# Altium PCB STB_LightBoard.PcbDoc (part 10 of 31) (continued)
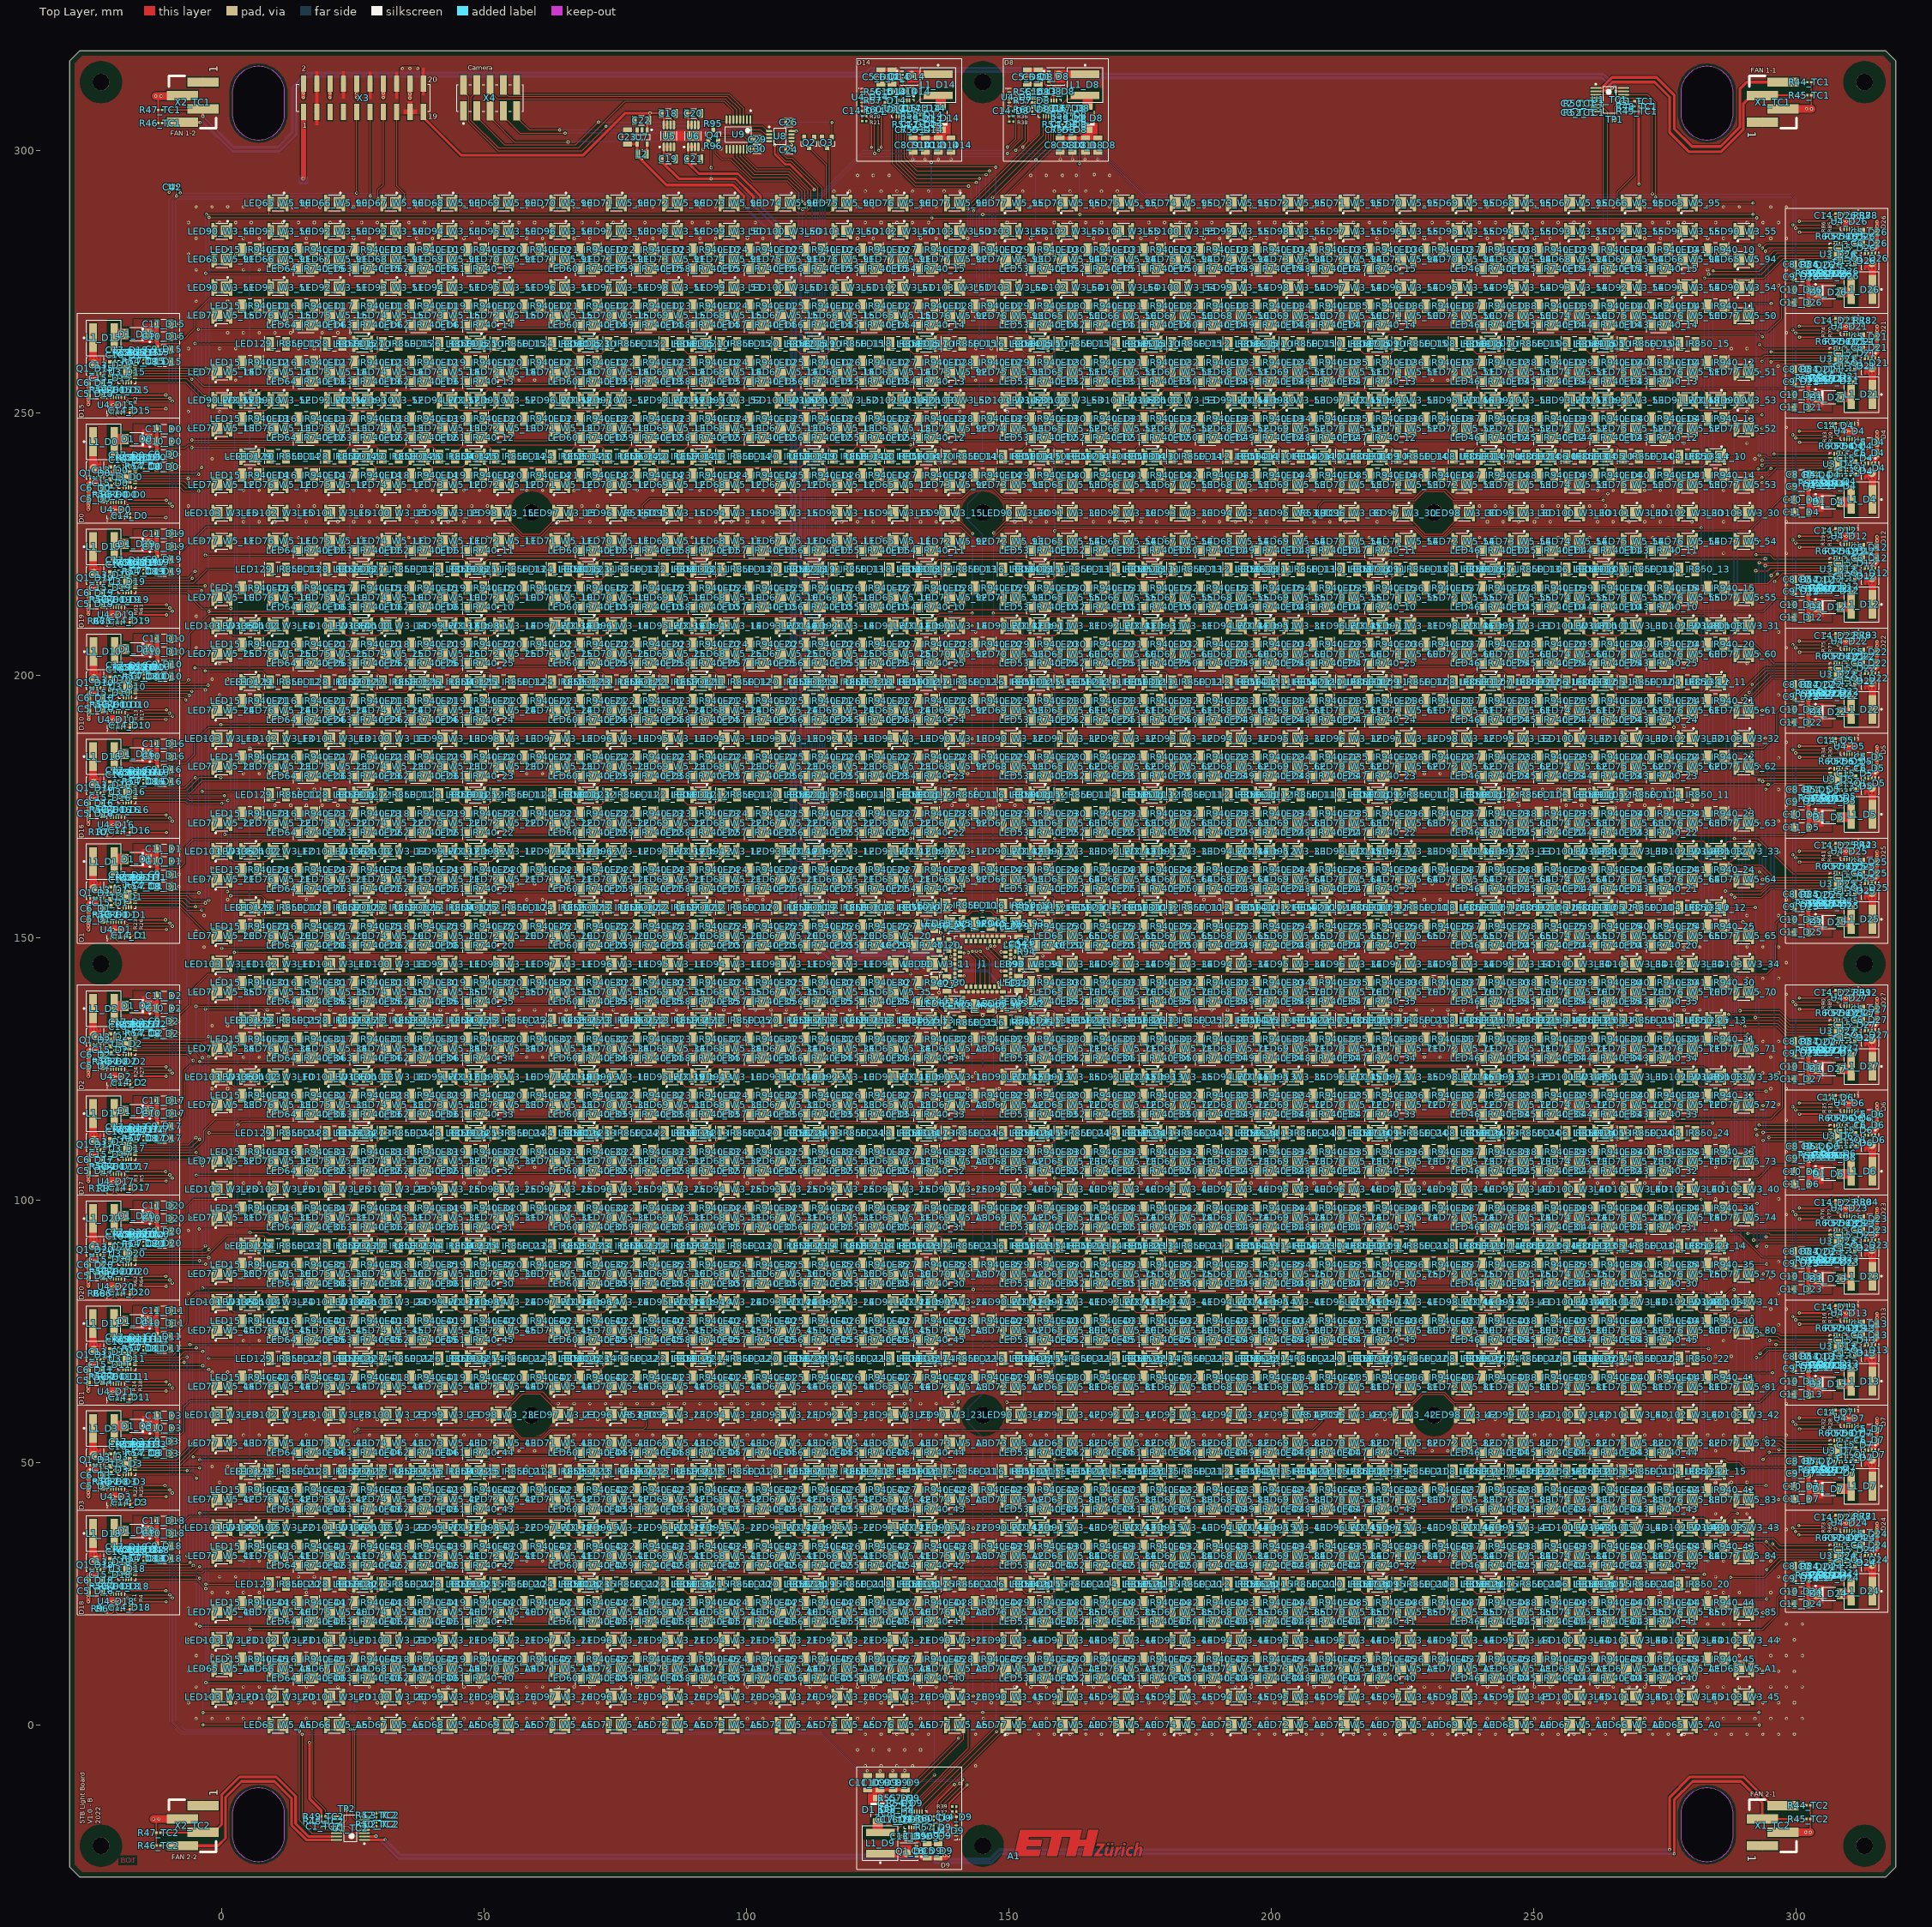
[diagram p0: Top Layer view]
## Components (designator, comment, footprint, x,y, rotation, side; value= is the part's Value field where it differs from the comment) (continued)
LED126_IR850_11 "AREM-80C0-LM000" AREM-80C0-LM000 42.964,177.226 r0 top (schematic designator LED126)
LED126_IR850_12 "AREM-80C0-LM000" AREM-80C0-LM000 42.964,198.708 r0 top (schematic designator LED126)
LED126_IR850_13 "AREM-80C0-LM000" AREM-80C0-LM000 42.964,220.19 r0 top (schematic designator LED126)
LED126_IR850_14 "AREM-80C0-LM000" AREM-80C0-LM000 42.964,241.672 r0 top (schematic designator LED126)
LED126_IR850_15 "AREM-80C0-LM000" AREM-80C0-LM000 42.964,263.154 r0 top (schematic designator LED126)
LED126_IR850_20 "AREM-80C0-LM000" AREM-80C0-LM000 42.964,26.852 r0 top (schematic designator LED126)
LED126_IR850_21 "AREM-80C0-LM000" AREM-80C0-LM000 42.964,48.334 r0 top (schematic designator LED126)
LED126_IR850_22 "AREM-80C0-LM000" AREM-80C0-LM000 42.964,69.816 r0 top (schematic designator LED126)
LED126_IR850_23 "AREM-80C0-LM000" AREM-80C0-LM000 42.964,91.298 r0 top (schematic designator LED126)
LED126_IR850_24 "AREM-80C0-LM000" AREM-80C0-LM000 42.964,112.78 r0 top (schematic designator LED126)
LED126_IR850_25 "AREM-80C0-LM000" AREM-80C0-LM000 42.964,134.262 r0 top (schematic designator LED126)
LED127_IR850_10 "AREM-80C0-LM000" AREM-80C0-LM000 32.223,155.744 r0 top (schematic designator LED127)
LED127_IR850_11 "AREM-80C0-LM000" AREM-80C0-LM000 32.223,177.226 r0 top (schematic designator LED127)
LED127_IR850_12 "AREM-80C0-LM000" AREM-80C0-LM000 32.223,198.708 r0 top (schematic designator LED127)
LED127_IR850_13 "AREM-80C0-LM000" AREM-80C0-LM000 32.223,220.19 r0 top (schematic designator LED127)
LED127_IR850_14 "AREM-80C0-LM000" AREM-80C0-LM000 32.223,241.672 r0 top (schematic designator LED127)
LED127_IR850_15 "AREM-80C0-LM000" AREM-80C0-LM000 32.223,263.154 r0 top (schematic designator LED127)
LED127_IR850_20 "AREM-80C0-LM000" AREM-80C0-LM000 32.223,26.852 r0 top (schematic designator LED127)
LED127_IR850_21 "AREM-80C0-LM000" AREM-80C0-LM000 32.223,48.334 r0 top (schematic designator LED127)
LED127_IR850_22 "AREM-80C0-LM000" AREM-80C0-LM000 32.223,69.816 r0 top (schematic designator LED127)
LED127_IR850_23 "AREM-80C0-LM000" AREM-80C0-LM000 32.223,91.298 r0 top (schematic designator LED127)
LED127_IR850_24 "AREM-80C0-LM000" AREM-80C0-LM000 32.223,112.78 r0 top (schematic designator LED127)
LED127_IR850_25 "AREM-80C0-LM000" AREM-80C0-LM000 32.223,134.262 r0 top (schematic designator LED127)
LED128_IR850_10 "AREM-80C0-LM000" AREM-80C0-LM000 21.482,155.744 r0 top (schematic designator LED128)
LED128_IR850_11 "AREM-80C0-LM000" AREM-80C0-LM000 21.482,177.226 r0 top (schematic designator LED128)
LED128_IR850_12 "AREM-80C0-LM000" AREM-80C0-LM000 21.482,198.708 r0 top (schematic designator LED128)
LED128_IR850_13 "AREM-80C0-LM000" AREM-80C0-LM000 21.482,220.19 r0 top (schematic designator LED128)
LED128_IR850_14 "AREM-80C0-LM000" AREM-80C0-LM000 21.482,241.672 r0 top (schematic designator LED128)
LED128_IR850_15 "AREM-80C0-LM000" AREM-80C0-LM000 21.482,263.154 r0 top (schematic designator LED128)
LED128_IR850_20 "AREM-80C0-LM000" AREM-80C0-LM000 21.482,26.852 r0 top (schematic designator LED128)
LED128_IR850_21 "AREM-80C0-LM000" AREM-80C0-LM000 21.482,48.334 r0 top (schematic designator LED128)
LED128_IR850_22 "AREM-80C0-LM000" AREM-80C0-LM000 21.482,69.816 r0 top (schematic designator LED128)
LED128_IR850_23 "AREM-80C0-LM000" AREM-80C0-LM000 21.482,91.298 r0 top (schematic designator LED128)
LED128_IR850_24 "AREM-80C0-LM000" AREM-80C0-LM000 21.482,112.78 r0 top (schematic designator LED128)
LED128_IR850_25 "AREM-80C0-LM000" AREM-80C0-LM000 21.482,134.262 r0 top (schematic designator LED128)
LED129_IR850_10 "AREM-80C0-LM000" AREM-80C0-LM000 10.741,155.744 r0 top (schematic designator LED129)
LED129_IR850_11 "AREM-80C0-LM000" AREM-80C0-LM000 10.741,177.226 r0 top (schematic designator LED129)
LED129_IR850_12 "AREM-80C0-LM000" AREM-80C0-LM000 10.741,198.708 r0 top (schematic designator LED129)
LED129_IR850_13 "AREM-80C0-LM000" AREM-80C0-LM000 10.741,220.19 r0 top (schematic designator LED129)
LED129_IR850_14 "AREM-80C0-LM000" AREM-80C0-LM000 10.741,241.672 r0 top (schematic designator LED129)
LED129_IR850_15 "AREM-80C0-LM000" AREM-80C0-LM000 10.741,263.154 r0 top (schematic designator LED129)
LED129_IR850_20 "AREM-80C0-LM000" AREM-80C0-LM000 10.741,26.852 r0 top (schematic designator LED129)
LED129_IR850_21 "AREM-80C0-LM000" AREM-80C0-LM000 10.741,48.334 r0 top (schematic designator LED129)
LED129_IR850_22 "AREM-80C0-LM000" AREM-80C0-LM000 10.741,69.816 r0 top (schematic designator LED129)
LED129_IR850_23 "AREM-80C0-LM000" AREM-80C0-LM000 10.741,91.298 r0 top (schematic designator LED129)
LED129_IR850_24 "AREM-80C0-LM000" AREM-80C0-LM000 10.741,112.78 r0 top (schematic designator LED129)
LED129_IR850_25 "AREM-80C0-LM000" AREM-80C0-LM000 10.741,134.262 r0 top (schematic designator LED129)
LED130_r_10 "NE2R757GT-P6" NE2R757GT-P6 220.19,241.65 r180 top (schematic designator LED130)
LED130_r_11 "NE2R757GT-P6" NE2R757GT-P6 220.19,198.69 r180 top (schematic designator LED130)
LED130_r_12 "NE2R757GT-P6" NE2R757GT-P6 220.19,155.73 r180 top (schematic designator LED130)
LED130_r_13 "NE2R757GT-P6" NE2R757GT-P6 220.19,134.25 r180 top (schematic designator LED130)
LED130_r_14 "NE2R757GT-P6" NE2R757GT-P6 220.19,91.29 r180 top (schematic designator LED130)
LED130_r_15 "NE2R757GT-P6" NE2R757GT-P6 220.19,48.33 r180 top (schematic designator LED130)
LED131_r_10 "NE2R757GT-P6" NE2R757GT-P6 241.672,241.65 r180 top (schematic designator LED131)
LED131_r_11 "NE2R757GT-P6" NE2R757GT-P6 241.672,198.69 r180 top (schematic designator LED131)
LED131_r_12 "NE2R757GT-P6" NE2R757GT-P6 241.672,155.73 r180 top (schematic designator LED131)
LED131_r_13 "NE2R757GT-P6" NE2R757GT-P6 241.672,134.25 r180 top (schematic designator LED131)
LED131_r_14 "NE2R757GT-P6" NE2R757GT-P6 241.672,91.29 r180 top (schematic designator LED131)
LED131_r_15 "NE2R757GT-P6" NE2R757GT-P6 241.672,48.33 r180 top (schematic designator LED131)
LED132_r_10 "NE2R757GT-P6" NE2R757GT-P6 252.413,241.65 r180 top (schematic designator LED132)
LED132_r_11 "NE2R757GT-P6" NE2R757GT-P6 252.413,198.69 r180 top (schematic designator LED132)
LED132_r_12 "NE2R757GT-P6" NE2R757GT-P6 252.413,155.73 r180 top (schematic designator LED132)
LED132_r_13 "NE2R757GT-P6" NE2R757GT-P6 252.413,134.25 r180 top (schematic designator LED132)
LED132_r_14 "NE2R757GT-P6" NE2R757GT-P6 252.413,91.29 r180 top (schematic designator LED132)
LED132_r_15 "NE2R757GT-P6" NE2R757GT-P6 252.413,48.33 r180 top (schematic designator LED132)
LED133_r_10 "NE2R757GT-P6" NE2R757GT-P6 263.154,241.65 r180 top (schematic designator LED133)
LED133_r_11 "NE2R757GT-P6" NE2R757GT-P6 263.154,198.69 r180 top (schematic designator LED133)
LED133_r_12 "NE2R757GT-P6" NE2R757GT-P6 263.154,155.73 r180 top (schematic designator LED133)
LED133_r_13 "NE2R757GT-P6" NE2R757GT-P6 263.154,134.25 r180 top (schematic designator LED133)
LED133_r_14 "NE2R757GT-P6" NE2R757GT-P6 263.154,91.29 r180 top (schematic designator LED133)
LED133_r_15 "NE2R757GT-P6" NE2R757GT-P6 263.154,48.33 r180 top (schematic designator LED133)
LED134_r_10 "NE2R757GT-P6" NE2R757GT-P6 284.636,241.65 r180 top (schematic designator LED134)
LED134_r_11 "NE2R757GT-P6" NE2R757GT-P6 284.636,198.69 r180 top (schematic designator LED134)
LED134_r_12 "NE2R757GT-P6" NE2R757GT-P6 284.636,155.73 r180 top (schematic designator LED134)
LED134_r_13 "NE2R757GT-P6" NE2R757GT-P6 284.636,134.25 r180 top (schematic designator LED134)
LED134_r_14 "NE2R757GT-P6" NE2R757GT-P6 284.636,91.29 r180 top (schematic designator LED134)
LED134_r_15 "NE2R757GT-P6" NE2R757GT-P6 284.636,48.33 r180 top (schematic designator LED134)
LED135_b_10 "NE2B757GT" NE2B757GT 5.37,252.39 r180 top (schematic designator LED135)
LED135_b_11 "NE2B757GT" NE2B757GT 5.37,209.43 r180 top (schematic designator LED135)
LED135_b_12 "NE2B757GT" NE2B757GT 5.37,166.47 r180 top (schematic designator LED135)
LED135_b_13 "NE2B757GT" NE2B757GT 5.37,123.51 r180 top (schematic designator LED135)
LED135_b_14 "NE2B757GT" NE2B757GT 5.37,80.55 r180 top (schematic designator LED135)
LED135_b_15 "NE2B757GT" NE2B757GT 5.37,37.59 r180 top (schematic designator LED135)
LED136_b_10 "NE2B757GT" NE2B757GT 26.852,252.39 r180 top (schematic designator LED136)
LED136_b_11 "NE2B757GT" NE2B757GT 26.852,209.43 r180 top (schematic designator LED136)
LED136_b_12 "NE2B757GT" NE2B757GT 26.852,166.47 r180 top (schematic designator LED136)
LED136_b_13 "NE2B757GT" NE2B757GT 26.852,123.51 r180 top (schematic designator LED136)
LED136_b_14 "NE2B757GT" NE2B757GT 26.852,80.55 r180 top (schematic designator LED136)
LED136_b_15 "NE2B757GT" NE2B757GT 26.852,37.59 r180 top (schematic designator LED136)
LED137_b_10 "NE2B757GT" NE2B757GT 48.334,252.39 r180 top (schematic designator LED137)
LED137_b_11 "NE2B757GT" NE2B757GT 48.334,209.43 r180 top (schematic designator LED137)
LED137_b_12 "NE2B757GT" NE2B757GT 48.334,166.47 r180 top (schematic designator LED137)
LED137_b_13 "NE2B757GT" NE2B757GT 48.334,123.51 r180 top (schematic designator LED137)
LED137_b_14 "NE2B757GT" NE2B757GT 48.334,80.55 r180 top (schematic designator LED137)
LED137_b_15 "NE2B757GT" NE2B757GT 48.334,37.59 r180 top (schematic designator LED137)
LED138_b_10 "NE2B757GT" NE2B757GT 69.816,252.39 r180 top (schematic designator LED138)
LED138_b_11 "NE2B757GT" NE2B757GT 69.816,209.43 r180 top (schematic designator LED138)
LED138_b_12 "NE2B757GT" NE2B757GT 69.816,166.47 r180 top (schematic designator LED138)
LED138_b_13 "NE2B757GT" NE2B757GT 69.816,123.51 r180 top (schematic designator LED138)
LED138_b_14 "NE2B757GT" NE2B757GT 69.816,80.55 r180 top (schematic designator LED138)
LED138_b_15 "NE2B757GT" NE2B757GT 69.816,37.59 r180 top (schematic designator LED138)
LED139_b_10 "NE2B757GT" NE2B757GT 91.298,252.39 r180 top (schematic designator LED139)
LED139_b_11 "NE2B757GT" NE2B757GT 91.298,209.43 r180 top (schematic designator LED139)
LED139_b_12 "NE2B757GT" NE2B757GT 91.298,166.47 r180 top (schematic designator LED139)
LED139_b_13 "NE2B757GT" NE2B757GT 91.298,123.51 r180 top (schematic designator LED139)
LED139_b_14 "NE2B757GT" NE2B757GT 91.298,80.55 r180 top (schematic designator LED139)
LED139_b_15 "NE2B757GT" NE2B757GT 91.298,37.59 r180 top (schematic designator LED139)
LED140_b_10 "NE2B757GT" NE2B757GT 112.78,252.39 r180 top (schematic designator LED140)
LED140_b_11 "NE2B757GT" NE2B757GT 112.78,209.43 r180 top (schematic designator LED140)
LED140_b_12 "NE2B757GT" NE2B757GT 112.78,166.47 r180 top (schematic designator LED140)
LED140_b_13 "NE2B757GT" NE2B757GT 112.78,123.51 r180 top (schematic designator LED140)
LED140_b_14 "NE2B757GT" NE2B757GT 112.78,80.55 r180 top (schematic designator LED140)
LED140_b_15 "NE2B757GT" NE2B757GT 112.78,37.59 r180 top (schematic designator LED140)
LED141_b_10 "NE2B757GT" NE2B757GT 134.262,252.39 r180 top (schematic designator LED141)
LED141_b_11 "NE2B757GT" NE2B757GT 134.262,209.43 r180 top (schematic designator LED141)
LED141_b_12 "NE2B757GT" NE2B757GT 134.262,166.47 r180 top (schematic designator LED141)
LED141_b_13 "NE2B757GT" NE2B757GT 134.262,123.51 r180 top (schematic designator LED141)
LED141_b_14 "NE2B757GT" NE2B757GT 134.262,80.55 r180 top (schematic designator LED141)
LED141_b_15 "NE2B757GT" NE2B757GT 134.262,37.59 r180 top (schematic designator LED141)
LED142_b_10 "NE2B757GT" NE2B757GT 155.744,252.39 r180 top (schematic designator LED142)
LED142_b_11 "NE2B757GT" NE2B757GT 155.744,209.43 r180 top (schematic designator LED142)
LED142_b_12 "NE2B757GT" NE2B757GT 155.744,166.47 r180 top (schematic designator LED142)
LED142_b_13 "NE2B757GT" NE2B757GT 155.744,123.51 r180 top (schematic designator LED142)
LED142_b_14 "NE2B757GT" NE2B757GT 155.744,80.55 r180 top (schematic designator LED142)
LED142_b_15 "NE2B757GT" NE2B757GT 155.744,37.59 r180 top (schematic designator LED142)
LED143_b_10 "NE2B757GT" NE2B757GT 177.226,252.39 r180 top (schematic designator LED143)
LED143_b_11 "NE2B757GT" NE2B757GT 177.226,209.43 r180 top (schematic designator LED143)
LED143_b_12 "NE2B757GT" NE2B757GT 177.226,166.47 r180 top (schematic designator LED143)
LED143_b_13 "NE2B757GT" NE2B757GT 177.226,123.51 r180 top (schematic designator LED143)
LED143_b_14 "NE2B757GT" NE2B757GT 177.226,80.55 r180 top (schematic designator LED143)
LED143_b_15 "NE2B757GT" NE2B757GT 177.226,37.59 r180 top (schematic designator LED143)
LED144_b_10 "NE2B757GT" NE2B757GT 198.708,252.39 r180 top (schematic designator LED144)
LED144_b_11 "NE2B757GT" NE2B757GT 198.708,209.43 r180 top (schematic designator LED144)
LED144_b_12 "NE2B757GT" NE2B757GT 198.708,166.47 r180 top (schematic designator LED144)
LED144_b_13 "NE2B757GT" NE2B757GT 198.708,123.51 r180 top (schematic designator LED144)
LED144_b_14 "NE2B757GT" NE2B757GT 198.708,80.55 r180 top (schematic designator LED144)
LED144_b_15 "NE2B757GT" NE2B757GT 198.708,37.59 r180 top (schematic designator LED144)
LED145_b_10 "NE2B757GT" NE2B757GT 220.19,252.39 r180 top (schematic designator LED145)
LED145_b_11 "NE2B757GT" NE2B757GT 220.19,209.43 r180 top (schematic designator LED145)
LED145_b_12 "NE2B757GT" NE2B757GT 220.19,166.47 r180 top (schematic designator LED145)
LED145_b_13 "NE2B757GT" NE2B757GT 220.19,123.51 r180 top (schematic designator LED145)
LED145_b_14 "NE2B757GT" NE2B757GT 220.19,80.55 r180 top (schematic designator LED145)
LED145_b_15 "NE2B757GT" NE2B757GT 220.19,37.59 r180 top (schematic designator LED145)
LED146_b_10 "NE2B757GT" NE2B757GT 241.672,252.39 r180 top (schematic designator LED146)
LED146_b_11 "NE2B757GT" NE2B757GT 241.672,209.43 r180 top (schematic designator LED146)
LED146_b_12 "NE2B757GT" NE2B757GT 241.672,166.47 r180 top (schematic designator LED146)
LED146_b_13 "NE2B757GT" NE2B757GT 241.672,123.51 r180 top (schematic designator LED146)
LED146_b_14 "NE2B757GT" NE2B757GT 241.672,80.55 r180 top (schematic designator LED146)
LED146_b_15 "NE2B757GT" NE2B757GT 241.672,37.59 r180 top (schematic designator LED146)
LED147_b_10 "NE2B757GT" NE2B757GT 263.154,252.39 r180 top (schematic designator LED147)
LED147_b_11 "NE2B757GT" NE2B757GT 263.154,209.43 r180 top (schematic designator LED147)
LED147_b_12 "NE2B757GT" NE2B757GT 263.154,166.47 r180 top (schematic designator LED147)
LED147_b_13 "NE2B757GT" NE2B757GT 263.154,123.51 r180 top (schematic designator LED147)
LED147_b_14 "NE2B757GT" NE2B757GT 263.154,80.55 r180 top (schematic designator LED147)
LED147_b_15 "NE2B757GT" NE2B757GT 263.154,37.59 r180 top (schematic designator LED147)
LED148_b_10 "NE2B757GT" NE2B757GT 284.636,252.39 r180 top (schematic designator LED148)
LED148_b_11 "NE2B757GT" NE2B757GT 284.636,209.43 r180 top (schematic designator LED148)
LED148_b_12 "NE2B757GT" NE2B757GT 284.636,166.47 r180 top (schematic designator LED148)
LED148_b_13 "NE2B757GT" NE2B757GT 284.636,123.51 r180 top (schematic designator LED148)
LED148_b_14 "NE2B757GT" NE2B757GT 284.636,80.55 r180 top (schematic designator LED148)
LED148_b_15 "NE2B757GT" NE2B757GT 284.636,37.59 r180 top (schematic designator LED148)
Q1_D0 "FDMC4435BZ" FP-511DQ-MFG#1 -24.071,239 r0 top (schematic designator Q1)
Q1_D1 "FDMC4435BZ" FP-511DQ-MFG#1 -24.071,158.974 r0 top (schematic designator Q1)
Q1_D2 "FDMC4435BZ" FP-511DQ-MFG#1 -24.071,131 r0 top (schematic designator Q1)
Q1_D3 "FDMC4435BZ" FP-511DQ-MFG#1 -24.071,50.994 r0 top (schematic designator Q1)
Q1_D4 "FDMC4435BZ" FP-511DQ-MFG#1 314.095,239 r180 top (schematic designator Q1)
Q1_D5 "FDMC4435BZ" FP-511DQ-MFG#1 314.095,179 r180 top (schematic designator Q1)
Q1_D6 "FDMC4435BZ" FP-511DQ-MFG#1 314.095,111 r180 top (schematic designator Q1)
Q1_D7 "FDMC4435BZ" FP-511DQ-MFG#1 314.095,51 r180 top (schematic designator Q1)
Q1_D8 "FDMC4435BZ" FP-511DQ-MFG#1 159,314.1 r270 top (schematic designator Q1)
Q1_D9 "FDMC4435BZ" FP-511DQ-MFG#1 131,-24.1 r90 top (schematic designator Q1)
Q1_D10 "FDMC4435BZ" FP-511DQ-MFG#1 -24.071,198.994 r0 top (schematic designator Q1)
Q1_D11 "FDMC4435BZ" FP-511DQ-MFG#1 -24.071,71 r0 top (schematic designator Q1)
Q1_D12 "FDMC4435BZ" FP-511DQ-MFG#1 314.095,219 r180 top (schematic designator Q1)
Q1_D13 "FDMC4435BZ" FP-511DQ-MFG#1 314.095,71 r180 top (schematic designator Q1)
Q1_D14 "FDMC4435BZ" FP-511DQ-MFG#1 131,314.1 r270 top (schematic designator Q1)
Q1_D15 "FDMC4435BZ" FP-511DQ-MFG#1 -24.071,258.906 r0 top (schematic designator Q1)
Q1_D16 "FDMC4435BZ" FP-511DQ-MFG#1 -24.071,179 r0 top (schematic designator Q1)
Q1_D17 "FDMC4435BZ" FP-511DQ-MFG#1 -24.071,111 r0 top (schematic designator Q1)
Q1_D18 "FDMC4435BZ" FP-511DQ-MFG#2 -24.071,30.988 r0 top (schematic designator Q1)
Q1_D19 "FDMC4435BZ" FP-511DQ-MFG#1 -24.071,218.999 r0 top (schematic designator Q1)
Q1_D20 "FDMC4435BZ" FP-511DQ-MFG#1 -24.071,91 r0 top (schematic designator Q1)
Q1_D21 "FDMC4435BZ" FP-511DQ-MFG#1 314.095,259 r180 top (schematic designator Q1)
Q1_D22 "FDMC4435BZ" FP-511DQ-MFG#1 314.095,199 r180 top (schematic designator Q1)
Q1_D23 "FDMC4435BZ" FP-511DQ-MFG#1 314.095,91.003 r180 top (schematic designator Q1)
Q1_D24 "FDMC4435BZ" FP-511DQ-MFG#1 314.095,31 r180 top (schematic designator Q1)
Q1_D25 "FDMC4435BZ" FP-511DQ-MFG#1 314.095,159 r180 top (schematic designator Q1)
Q1_D26 "FDMC4435BZ" FP-511DQ-MFG#1 314.095,279 r180 top (schematic designator Q1)
Q1_D27 "FDMC4435BZ" FP-511DQ-MFG#1 314.095,131 r180 top (schematic designator Q1)
Q2 "2N7002-7-F" FP-SOT23-MFG 111.925,301.525 r270 top
Q3 "2N7002-7-F" FP-SOT23-MFG 115.325,301.525 r270 top
Q4 "2N7002-7-F" FP-SOT23-MFG 93.65,302.85 r90 top
R1 "976k" RESC1005X40X25LL05T05 -16.454,22.404 r90 top value="976 kOhm"
R2 "0R" RESC1005X40X25LL05T10 -16.455,250.406 r90 top
R3 "976k" RESC1005X40X25LL05T05 -16.4,102.4 r90 top value="976 kOhm"
R4 "182k" RESC1005X40X25LL05T05 -15.452,22.388 r270 top value="182 kOhm"
R5 "102k" RESC1005X40X25LL05T05 -15.3,102.4 r270 top value="102 kOhm"
R6 "976k" RESC1005X40X25LL05T05 -22.655,22.14 r90 top value="976 kOhm"
R7 "976k" RESC1005X40X25LL05T05 -22.622,170.138 r90 top value="976 kOhm"
R8 "976k" RESC1005X40X25LL05T05 -22.553,102.269 r90 top value="976 kOhm"
R9 "102k" RESC1005X40X25LL05T05 -23.671,22.14 r270 top value="102 kOhm"
R10 "102k" RESC1005X40X25LL05T05 -23.556,170.144 r270 top value="102 kOhm"
R11 "102k" RESC1005X40X25LL05T05 -23.472,102.269 r270 top value="102 kOhm"
R12 "182k" RESC1005X40X25LL05T05 306.468,79.585 r270 top value="182 kOhm"
R13 "523k" RESC1005X40X25LL05T05 -16.416,190.413 r90 top value="523 kOhm"
R14 "392k" RESC1005X40X25LL05T05 -16.534,62.42 r90 top value="392 kOhm"
R15 "280k" RESC1005X40X25LL05T05 306.428,227.573 r270 top value="280 kOhm"
R16 "976k" RESC1005X40X25LL05T05 305.438,79.602 r90 top value="976 kOhm"
R17 "1M" RESC1005X40X25LL05T05 -15.399,190.42 r270 top value="1 MOhm"
R18 "1M" RESC1005X40X25LL05T05 -15.559,62.42 r270 top value="1 MOhm"
R19 "1M" RESC1005X40X25LL05T05 305.401,227.573 r90 top value="1 MOhm"
R20 "102k" RESC1005X40X25LL05T05 122.426,306.518 r0 top value="102 kOhm"
R21 "976k" RESC1005X40X25LL05T05 122.438,305.552 r180 top value="976 kOhm"
R22 "1M" RESC1005X40X25LL05T05 -16.4,42.4 r90 top value="1 MOhm"
R23 "976k" RESC1005X40X25LL05T05 -16.46,150.423 r90 top value="976 kOhm"
R24 "976k" RESC1005X40X25LL05T05 -16.4,122.4 r90 top value="976 kOhm"
R25 "280k" RESC1005X40X25LL05T05 -15.3,42.4 r270 top value="280 kOhm"
R26 "102k" RESC1005X40X25LL05T05 -15.391,150.418 r270 top value="102 kOhm"
R27 "182k" RESC1005X40X25LL05T05 -15.3,122.4 r270 top value="182 kOhm"
R28 "1M" RESC1005X40X25LL05T05 306.5,59.6 r270 top value="1 MOhm"
R29 "1M" RESC1005X40X25LL05T05 306.5,247.6 r270 top value="1 MOhm"
R30 "1M" RESC1005X40X25LL05T05 306.5,187.6 r270 top value="1 MOhm"
R31 "1M" RESC1005X40X25LL05T05 306.4,119.6 r270 top value="1 MOhm"
R32 "887k" RESC1005X40X25LL05T10 305.5,59.6 r90 top value="887 kOhm"
R33 "392k" RESC1005X40X25LL05T05 305.5,247.6 r90 top value="392 kOhm"
R34 "523k" RESC1005X40X25LL05T05 305.5,187.6 r90 top value="523 kOhm"
R35 "681k" RESC1005X40X25LL05T05 305.3,119.6 r90 top value="681 kOhm"
R36 "887k" RESC1005X40X25LL05T10 150.447,306.481 r0 top value="887 kOhm"
R37 "681k" RESC1005X40X25LL05T05 139.58,-16.51 r180 top value="681 kOhm"
R38 "1M" RESC1005X40X25LL05T05 150.456,305.473 r180 top value="1 MOhm"
R39 "1M" RESC1005X40X25LL05T05 139.586,-15.522 r0 top value="1 MOhm"
R40 "681k" RESC1005X40X25LL05T05 306.5,167.6 r270 top value="681 kOhm"
R41 "1M" RESC1005X40X25LL05T05 305.5,167.6 r90 top value="1 MOhm"
R42 "976k" RESC1005X40X25LL05T05 312.8,167.7 r270 top value="976 kOhm"
R43 "102k" RESC1005X40X25LL05T05 313.8,167.7 r90 top value="102 kOhm"
R44_TC1 "4k7" RESC1005X40X25LL05T10 302.5,313 r0 top value="4.7 kOhm" (schematic designator R44)
R44_TC2 "4k7" RESC1005X40X25LL05T10 302.325,-15.3 r0 top value="4.7 kOhm" (schematic designator R44)
R45_TC1 "4k7" RESC1005X40X25LL05T10 302.5,310.5 r0 top value="4.7 kOhm" (schematic designator R45)
R45_TC2 "4k7" RESC1005X40X25LL05T10 302.3,-17.9 r0 top value="4.7 kOhm" (schematic designator R45)
R46_TC1 "4k7" RESC1005X40X25LL05T10 -11.71,305.185 r180 top value="4.7 kOhm" (schematic designator R46)
R46_TC2 "4k7" RESC1005X40X25LL05T10 -12.093,-22.973 r180 top value="4.7 kOhm" (schematic designator R46)
R47_TC1 "4k7" RESC1005X40X25LL05T10 -11.71,307.7 r180 top value="4.7 kOhm" (schematic designator R47)
R47_TC2 "4k7" RESC1005X40X25LL05T10 -12.093,-20.519 r180 top value="4.7 kOhm" (schematic designator R47)
R48_TC1 "10k" RESC1005X40X25LL05T05 269.628,308.385 r0 top value="10 KOhm" (schematic designator R48)
R48_TC2 "10k" RESC1005X40X25LL05T05 19.372,-18.385 r180 top value="10 KOhm" (schematic designator R48)
R49_TC1 "10k" RESC1005X40X25LL05T05 269.622,307.42 r0 top value="10 KOhm" (schematic designator R49)
R49_TC2 "10k" RESC1005X40X25LL05T05 19.378,-17.42 r180 top value="10 KOhm" (schematic designator R49)
R50_TC1 "1k6" RESC1005X40X25LL05T10 259.544,308.903 r90 top value="1.6 kOhm" (schematic designator R50)
R50_TC2 "1k6" RESC1005X40X25LL05T10 29.456,-18.903 r270 top value="1.6 kOhm" (schematic designator R50)
R51_TC1 "NCP15XH103F03RC" FP-NCP15-NCU15-0_05-IPC_C 80.557,230.91 r180 top value="10 kOhm" (schematic designator R51)
R51_TC2 "NCP15XH103F03RC" FP-NCP15-NCU15-0_05-IPC_C 209.43,59.07 r0 top value="10 kOhm" (schematic designator R51)
R52_TC1 "1k6" RESC1005X40X25LL05T10 259.563,307.17 r90 top value="1.6 kOhm" (schematic designator R52)
R52_TC2 "1k6" RESC1005X40X25LL05T10 29.437,-17.17 r270 top value="1.6 kOhm" (schematic designator R52)
R53_TC1 "NCP15XH103F03RC" FP-NCP15-NCU15-0_05-IPC_C 209.43,230.91 r180 top value="10 kOhm" (schematic designator R53)
R53_TC2 "NCP15XH103F03RC" FP-NCP15-NCU15-0_05-IPC_C 80.55,59.07 r0 top value="10 kOhm" (schematic designator R53)
R54_D0 "316k" RESC1005X40X25LL05T05 -14.9,239.8 r270 top value="316 kOhm" (schematic designator R54)
R54_D1 "316k" RESC1005X40X25LL05T05 -14.9,159.8 r270 top value="316 kOhm" (schematic designator R54)
R54_D2 "316k" RESC1005X40X25LL05T05 -14.9,131.8 r270 top value="316 kOhm" (schematic designator R54)
R54_D3 "316k" RESC1005X40X25LL05T05 -14.9,51.8 r270 top value="316 kOhm" (schematic designator R54)
R54_D4 "316k" RESC1005X40X25LL05T05 304.9,238.2 r90 top value="316 kOhm" (schematic designator R54)
R54_D5 "316k" RESC1005X40X25LL05T05 304.9,178.2 r90 top value="316 kOhm" (schematic designator R54)
R54_D6 "316k" RESC1005X40X25LL05T05 304.9,110.2 r90 top value="316 kOhm" (schematic designator R54)
R54_D7 "316k" RESC1005X40X25LL05T05 304.9,50.3 r90 top value="316 kOhm" (schematic designator R54)
R54_D8 "316k" RESC1005X40X25LL05T05 159.813,304.925 r180 top value="316 kOhm" (schematic designator R54)
R54_D9 "316k" RESC1005X40X25LL05T05 130.2,-14.9 r0 top value="316 kOhm" (schematic designator R54)
R54_D10 "316k" RESC1005X40X25LL05T05 -14.8,199.8 r270 top value="316 kOhm" (schematic designator R54)
R54_D11 "316k" RESC1005X40X25LL05T05 -14.9,71.8 r270 top value="316 kOhm" (schematic designator R54)
R54_D12 "316k" RESC1005X40X25LL05T05 304.9,218.2 r90 top value="316 kOhm" (schematic designator R54)
R54_D13 "316k" RESC1005X40X25LL05T05 304.9,70.2 r90 top value="316 kOhm" (schematic designator R54)
R54_D14 "316k" RESC1005X40X25LL05T05 131.813,304.925 r180 top value="316 kOhm" (schematic designator R54)
R54_D15 "316k" RESC1005X40X25LL05T05 -14.9,259.8 r270 top value="316 kOhm" (schematic designator R54)
R54_D16 "316k" RESC1005X40X25LL05T05 -14.9,179.8 r270 top value="316 kOhm" (schematic designator R54)
R54_D17 "316k" RESC1005X40X25LL05T05 -14.9,111.8 r270 top value="316 kOhm" (schematic designator R54)
R54_D18 "316k" RESC1005X40X25LL05T05 -14.9,31.7 r270 top value="316 kOhm" (schematic designator R54)
R54_D19 "316k" RESC1005X40X25LL05T05 -14.9,219.8 r270 top value="316 kOhm" (schematic designator R54)
R54_D20 "316k" RESC1005X40X25LL05T05 -14.9,91.7 r270 top value="316 kOhm" (schematic designator R54)
R54_D21 "316k" RESC1005X40X25LL05T05 304.9,258.3 r90 top value="316 kOhm" (schematic designator R54)
R54_D22 "316k" RESC1005X40X25LL05T05 304.9,198.2 r90 top value="316 kOhm" (schematic designator R54)
R54_D23 "316k" RESC1005X40X25LL05T05 304.9,90.2 r90 top value="316 kOhm" (schematic designator R54)
R54_D24 "316k" RESC1005X40X25LL05T05 304.9,30.2 r90 top value="316 kOhm" (schematic designator R54)
R54_D25 "316k" RESC1005X40X25LL05T05 304.905,158.206 r90 top value="316 kOhm" (schematic designator R54)
R54_D26 "316k" RESC1005X40X25LL05T05 304.9,278.2 r90 top value="316 kOhm" (schematic designator R54)
R54_D27 "316k" RESC1005X40X25LL05T05 304.9,130.2 r90 top value="316 kOhm" (schematic designator R54)
R55_D0 "10k" RESC1005X40X25LL05T05 -13.9,241.5 r90 top value="10 kOhm" (schematic designator R55)
R55_D1 "10k" RESC1005X40X25LL05T05 -13.9,161.5 r90 top value="10 kOhm" (schematic designator R55)
R55_D2 "10k" RESC1005X40X25LL05T05 -13.9,133.5 r90 top value="10 kOhm" (schematic designator R55)
R55_D3 "10k" RESC1005X40X25LL05T05 -13.9,53.5 r90 top value="10 kOhm" (schematic designator R55)
R55_D4 "10k" RESC1005X40X25LL05T05 303.9,236.5 r270 top value="10 kOhm" (schematic designator R55)
R55_D5 "10k" RESC1005X40X25LL05T05 303.9,176.5 r270 top value="10 kOhm" (schematic designator R55)
R55_D6 "10k" RESC1005X40X25LL05T05 303.9,108.5 r270 top value="10 kOhm" (schematic designator R55)
R55_D7 "10k" RESC1005X40X25LL05T05 303.9,48.6 r270 top value="10 kOhm" (schematic designator R55)
R55_D8 "10k" RESC1005X40X25LL05T05 161.46,303.925 r0 top value="10 kOhm" (schematic designator R55)
R55_D9 "10k" RESC1005X40X25LL05T05 128.5,-13.9 r180 top value="10 kOhm" (schematic designator R55)
R55_D10 "10k" RESC1005X40X25LL05T05 -13.8,201.6 r90 top value="10 kOhm" (schematic designator R55)
R55_D11 "10k" RESC1005X40X25LL05T05 -13.9,73.5 r90 top value="10 kOhm" (schematic designator R55)
R55_D12 "10k" RESC1005X40X25LL05T05 303.9,216.5 r270 top value="10 kOhm" (schematic designator R55)
R55_D13 "10k" RESC1005X40X25LL05T05 303.9,68.5 r270 top value="10 kOhm" (schematic designator R55)
R55_D14 "10k" RESC1005X40X25LL05T05 133.46,303.925 r0 top value="10 kOhm" (schematic designator R55)
R55_D15 "10k" RESC1005X40X25LL05T05 -13.9,261.5 r90 top value="10 kOhm" (schematic designator R55)
R55_D16 "10k" RESC1005X40X25LL05T05 -13.9,181.5 r90 top value="10 kOhm" (schematic designator R55)
R55_D17 "10k" RESC1005X40X25LL05T05 -13.9,113.5 r90 top value="10 kOhm" (schematic designator R55)
R55_D18 "10k" RESC1005X40X25LL05T05 -13.9,33.4 r90 top value="10 kOhm" (schematic designator R55)
R55_D19 "10k" RESC1005X40X25LL05T05 -13.9,221.5 r90 top value="10 kOhm" (schematic designator R55)
R55_D20 "10k" RESC1005X40X25LL05T05 -13.9,93.4 r90 top value="10 kOhm" (schematic designator R55)
R55_D21 "10k" RESC1005X40X25LL05T05 303.9,256.5 r270 top value="10 kOhm" (schematic designator R55)
R55_D22 "10k" RESC1005X40X25LL05T05 303.9,196.5 r270 top value="10 kOhm" (schematic designator R55)
R55_D23 "10k" RESC1005X40X25LL05T05 303.9,88.5 r270 top value="10 kOhm" (schematic designator R55)
R55_D24 "10k" RESC1005X40X25LL05T05 303.9,28.5 r270 top value="10 kOhm" (schematic designator R55)
R55_D25 "10k" RESC1005X40X25LL05T05 303.9,156.5 r270 top value="10 kOhm" (schematic designator R55)
R55_D26 "10k" RESC1005X40X25LL05T05 303.9,276.5 r270 top value="10 kOhm" (schematic designator R55)
R55_D27 "10k" RESC1005X40X25LL05T05 303.9,128.5 r270 top value="10 kOhm" (schematic designator R55)
R56_D0 "4k7" RESC1005X40X25LL05T10 -21.125,234.389 r180 top value="4.7 kOhm" (schematic designator R56)
R56_D1 "4k7" RESC1005X40X25LL05T10 -21.125,154.389 r180 top value="4.7 kOhm" (schematic designator R56)
R56_D2 "4k7" RESC1005X40X25LL05T10 -21.125,126.389 r180 top value="4.7 kOhm" (schematic designator R56)
R56_D3 "4k7" RESC1005X40X25LL05T10 -21.125,46.389 r180 top value="4.7 kOhm" (schematic designator R56)
R56_D4 "4k7" RESC1005X40X25LL05T10 311.125,243.611 r0 top value="4.7 kOhm" (schematic designator R56)
R56_D5 "4k7" RESC1005X40X25LL05T10 311.125,183.611 r0 top value="4.7 kOhm" (schematic designator R56)
R56_D6 "4k7" RESC1005X40X25LL05T10 311.125,115.611 r0 top value="4.7 kOhm" (schematic designator R56)
R56_D7 "4k7" RESC1005X40X25LL05T10 311.125,55.611 r0 top value="4.7 kOhm" (schematic designator R56)